# Altium PCB netv2mvp-pvt1b.PCBDOC (part 3 of 7) (continued)
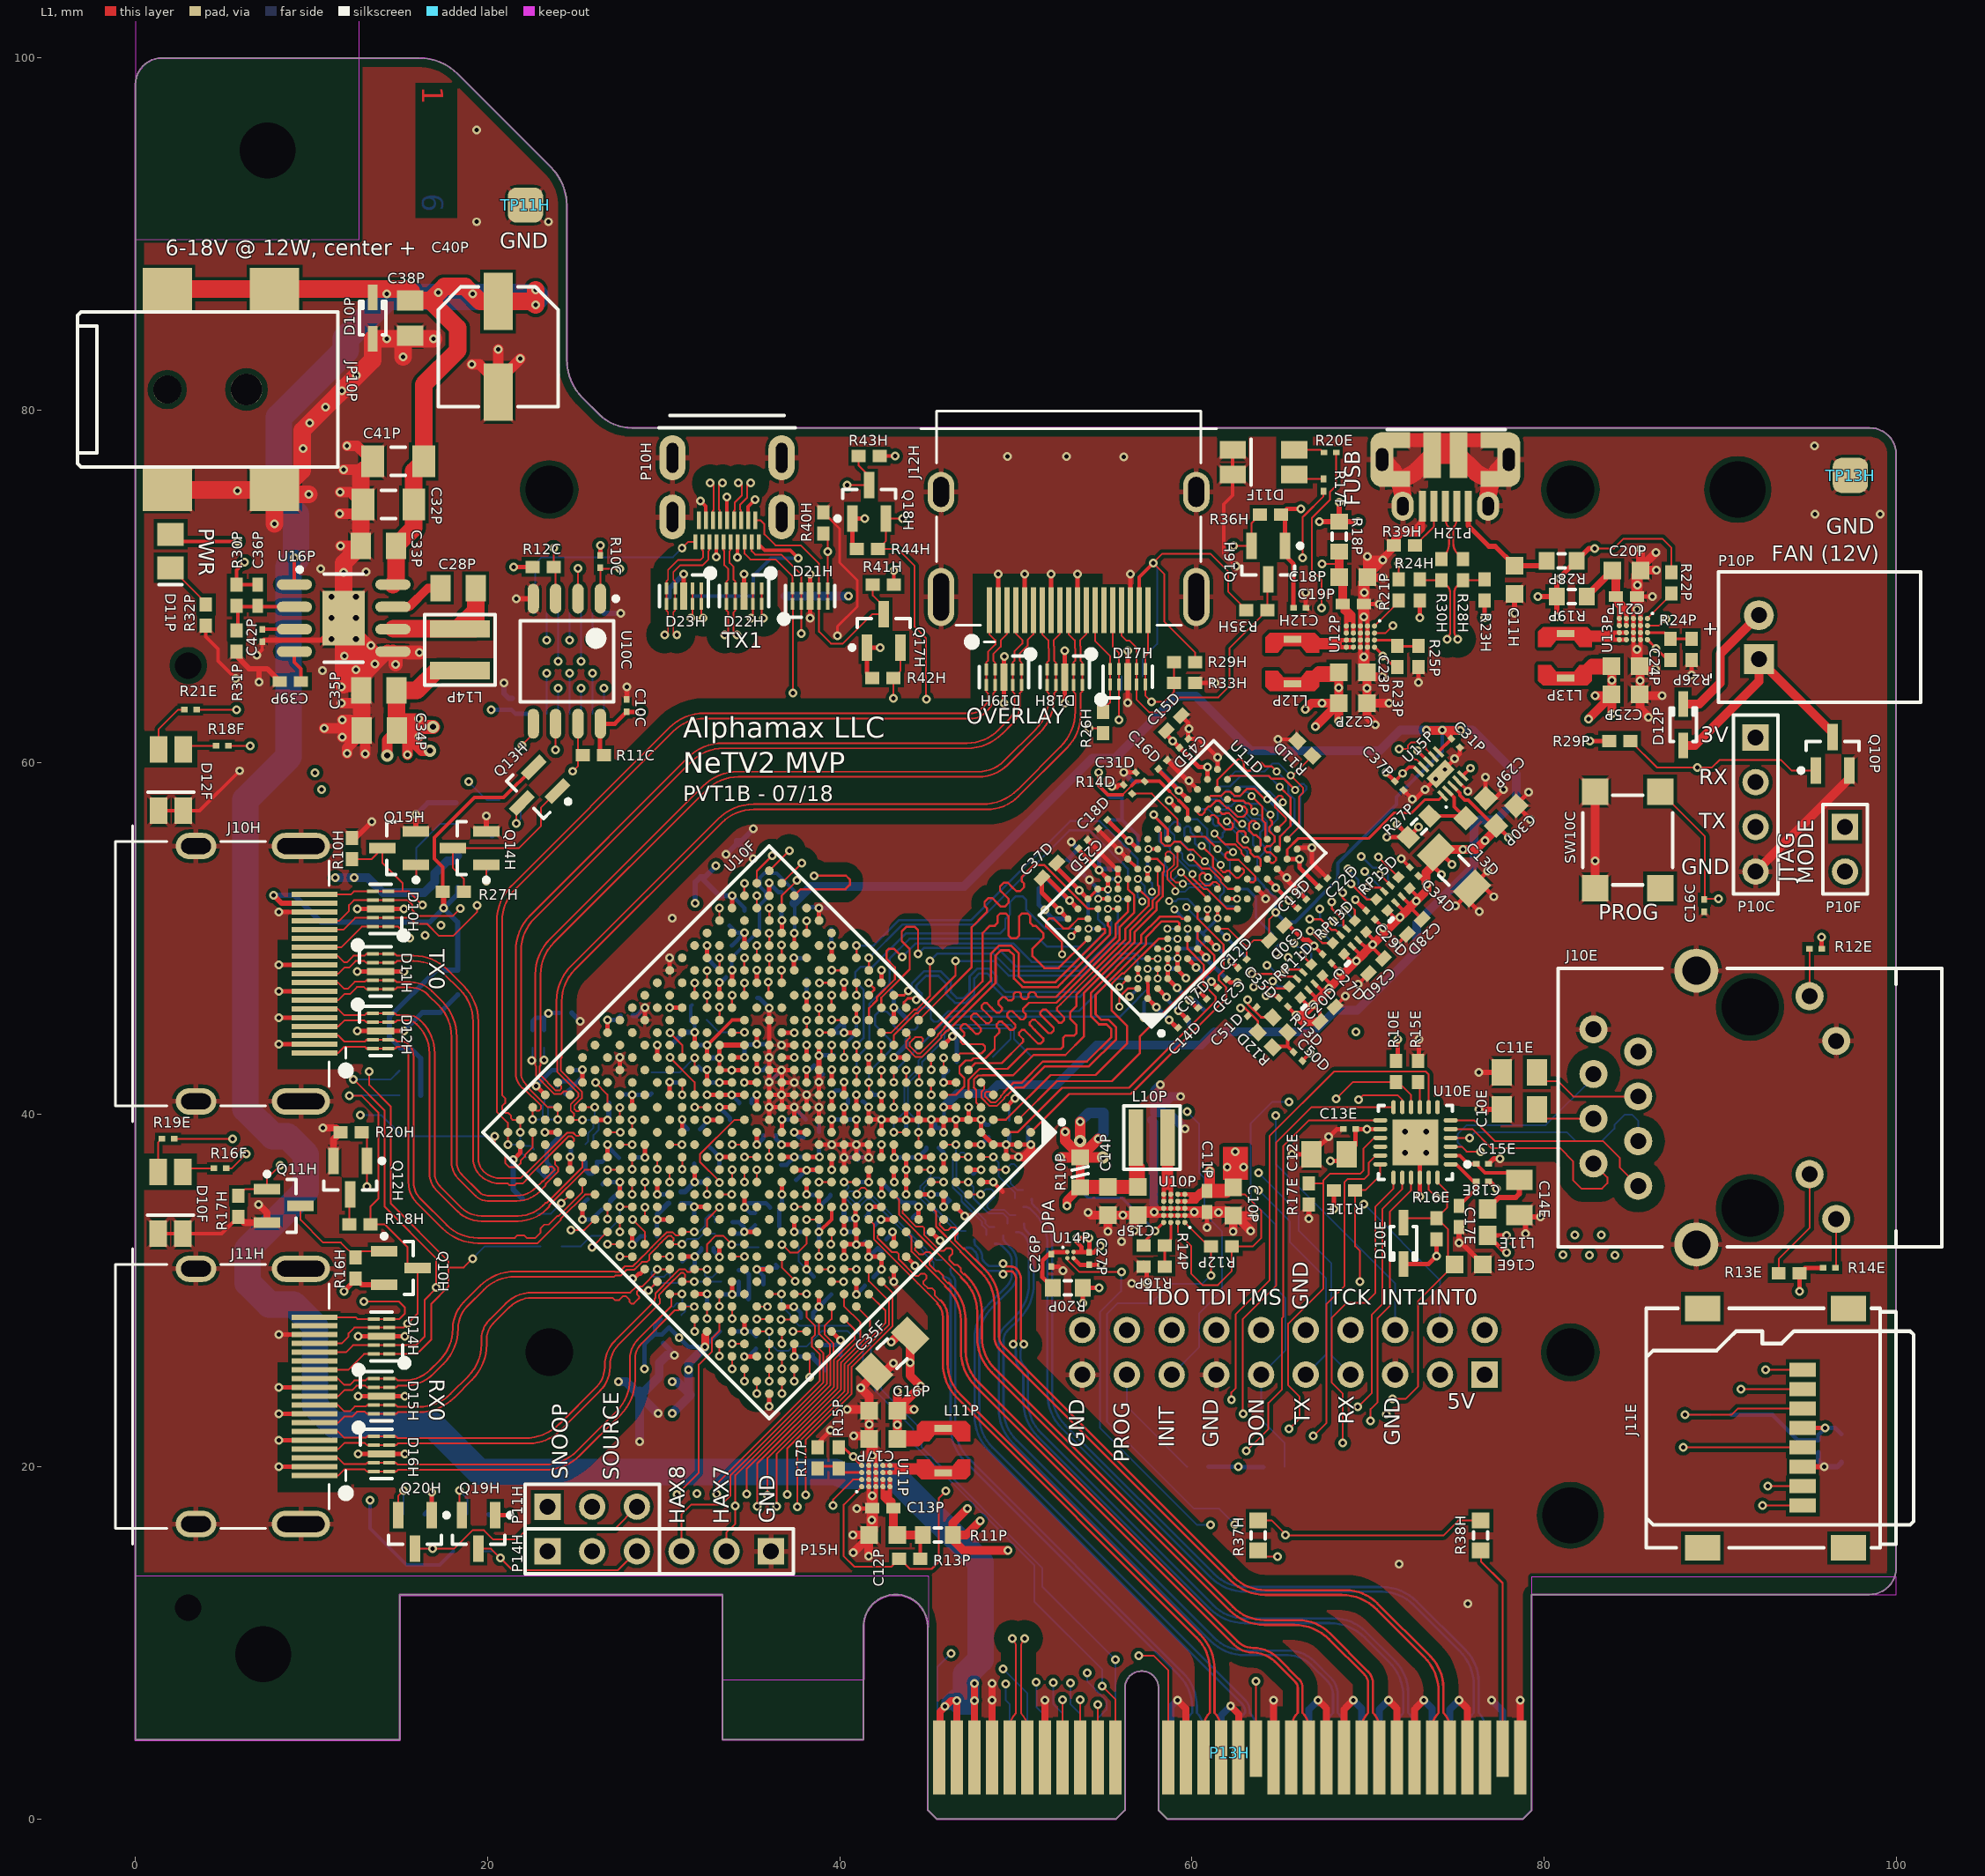
[diagram p0: L1 view]
## Nets (pads, with @x,y where several pads share a name; then routed paths per layer and width w, separated by ;. In a path a pad name is that pad's centre, name@x,y a point inside that pad or via, vN(x,y) a via of type N, cw(c..) or ccw(c..) an arc to the next point about the centre after c; other vN are vias at no path point) (continued)
DDR3_DQ9: U10F.H3 U11D.C3 | length 18.8
  L1 w0.12: U10F.H3@44.485,42.536 44.502,42.519 v1(44.502,41.827) ; U11D.C3@57.493,48.856 v2(58.062,48.856)
  L3 w0.13: v1(44.502,41.827) 44.502,43.693 46.984,46.175 51.45,46.175 54.131,48.856 v2(58.062,48.856)
DDR3_DQ10: U10F.K1 U11D.C8 | length 19.3
  L1 w0.12: U10F.K1@44.485,45.364 47.496,48.375 47.496,50.646 48.25,51.4 48.36,51.51 48.36,51.729 48.226,51.863 48.226,52.082 48.445,52.301 48.664,52.301 48.908,52.058 49.151,51.814 49.37,51.814 49.59,52.033 49.59,52.252 49.346,52.496 49.102,52.74 49.102,52.959 49.322,53.178 49.541,53.178 49.784,52.934 50.028,52.691 50.247,52.691 50.466,52.91 50.466,53.129 50.332,53.263 50.332,53.482 50.45,53.6 51.025,54.175 51.608,54.175 54.099,51.684 U11D.C8@54.665,51.684
DDR3_DQ11: U10F.H2 U11D.C2 | length 17.8
  L1 w0.12: v1(45.192,42.543) U10F.H2@45.192,43.243 ; v2(58.059,47.721) U11D.C2@58.059,48.29
  L3 w0.13: v1(45.192,42.543) 45.192,43.817 47.075,45.7 51.9,45.7 54.475,48.275 55.65,48.275 56.625,47.3 57.637,47.3 v2(58.059,47.721)
DDR3_DQ12: U10F.J1 U11D.A7 | length 19.8
  L1 w0.12: U10F.J1@45.192,44.657 48.111,47.575 48.111,50.311 48.525,50.725 48.65,50.725 48.805,50.725 48.96,50.88 48.96,51.27 49.115,51.425 49.425,51.425 49.58,51.27 49.58,50.725 49.58,50.18 49.735,50.025 50.045,50.025 50.2,50.18 50.2,50.725 50.2,51.27 50.355,51.425 50.665,51.425 50.82,51.27 50.82,50.88 50.975,50.725 51.125,50.725 51.575,50.275 51.575,50.05 50.95,49.425 50.95,49 51.625,48.325 52.437,48.325 U11D.A7@54.099,49.987
DDR3_DQ13: U10F.G2 U11D.A2 | length 16.6
  L1 w0.12: U10F.G2@45.899,42.536 v1(45.899,43.235) ; v2(55.884,46.116) 55.884,46.684 56.359,47.159 U11D.A2@56.927,47.159
  L3 w0.13: v1(45.899,43.235) 46.685,43.235 47.775,44.325 48.325,44.325 48.475,44.325 48.632,44.325 48.79,44.482 48.79,44.567 48.947,44.725 49.262,44.725 49.42,44.567 49.42,44.325 49.42,44.083 49.577,43.925 49.892,43.925 50.05,44.083 50.05,44.325 50.05,44.567 50.207,44.725 50.522,44.725 50.68,44.567 50.68,44.325 50.68,44.083 50.837,43.925 51.152,43.925 51.31,44.083 51.31,44.325 51.31,44.567 51.467,44.725 51.782,44.725 51.94,44.567 51.94,44.482 52.097,44.325 52.57,44.325 52.7,44.325 54.094,44.325 v2(55.884,46.116)
DDR3_DQ14: U10F.H5 U11D.B8 | length 22.4
  L1 w0.12: v1(43.071,40.422) U10F.H5@43.071,41.121 ; v2(52.625,49.1) 52.625,49.8 51.725,50.7 51.725,50.975 51.9,51.15 52.125,51.15 52.7,50.575 53,50.575 53.544,51.119 U11D.B8@54.099,51.119
  L3 w0.13: v1(43.071,40.422) 43.071,41.196 43.2,41.325 43.85,41.325 44,41.475 44,41.9 43.825,42.075 43.5,42.075 43.275,42.3 43.05,42.3 42.95,42.4 42.95,42.575 43.075,42.7 43.275,42.7 43.5,42.925 43.5,43.725 46.825,47.05 50.575,47.05 v2(52.625,49.1)
DDR3_DQ15: U10F.G3 U11D.A3 | length 18.4
  L1 w0.12: v1(45.192,41.129) U10F.G3@45.192,41.828 ; v2(55.894,47.256) U11D.A3@56.362,47.724
  L3 w0.13: v1(45.192,41.129) 46.654,41.129 47.025,41.5 47.025,42.075 46.65,42.45 46,42.45 45.45,43 45.45,43.475 45.875,43.9 46.575,43.9 47.9,45.225 52.875,45.225 54.906,47.256 v2(55.894,47.256)
DDR3_DQ16: U10D.E3 U10F.N2 | length 22.9
  L1 w0.12: U10F.N2@41.657,46.778 41.95,47.071 41.95,47.185 v1(41.657,47.478)
  L4 w0.13: v1(41.657,47.478) 41.835,47.3 42.6,47.3 43.325,48.025 50.35,48.025 50.725,48.4 51.05,48.4 51.425,48.025 52.075,48.025 52.375,48.325 52.375,48.6 52.125,48.85 51.525,48.85 51.4,48.975 51.4,49.325 51.75,49.675 53.775,49.675 53.875,49.775 53.875,50.1 53.2,50.775 53.2,51.15 53.35,51.3 53.575,51.3 54.05,51.775 54.375,51.775 54.85,51.3 55.425,51.3 55.793,51.668 v2(55.793,52.25)
  L6 w0.12: v2(55.793,52.25) U10D.E3@56.362,52.25
DDR3_DQ17: U10D.F7 U10F.M6 | length 27.2
  L1 w0.12: U10F.M6@39.536,43.243 v1(39.536,43.942)
  L4 w0.13: v1(39.536,43.942) 39.753,43.725 40.45,43.725 40.675,43.5 41.25,43.5 41.4,43.65 41.4,44.075 42,44.675 44.775,44.675 45.5,45.4 46.725,45.4 47.275,44.85 47.475,44.85 47.632,44.85 47.79,45.007 47.79,45.092 47.947,45.25 48.262,45.25 48.42,45.092 48.42,44.85 48.42,44.608 48.577,44.45 48.892,44.45 49.05,44.608 49.05,44.85 49.05,45.092 49.207,45.25 49.522,45.25 49.68,45.092 49.68,44.85 49.68,44.608 49.837,44.45 50.152,44.45 50.31,44.608 50.31,44.85 50.31,45.092 50.467,45.25 50.782,45.25 50.94,45.092 50.94,45.007 51.097,44.85 51.275,44.85 ; 51.425,44.85 51.275,44.85 ; v2(58.621,50.553) 57.653,50.553 52.1,45 51.95,44.85 51.275,44.85
  L6 w0.12: v2(58.621,50.553) U10D.F7@59.19,50.553
DDR3_DQ18: U10D.F2 U10F.P1 | length 19.9
  L1 w0.12: U10F.P1@41.657,48.192 v1(41.657,48.892)
  L6 w0.12: v1(41.657,48.892) 43.55,50.785 47.685,50.785 53.05,56.15 54.175,56.15 55.469,54.856 55.469,54.839 55.959,54.35 55.975,54.35 56.362,53.963 U10D.F2@56.362,53.381
DDR3_DQ19: U10D.F8 U10F.N5 | length 25.4
  L1 w0.12: v1(38.836,44.657) U10F.N5@39.536,44.657
  L4 w0.13: v1(38.836,44.657) 39.493,44.657 39.975,44.175 40.475,44.175 40.725,44.425 41.25,44.425 41.775,44.95 44.6,44.95 45.315,45.665 52.315,45.665 57.6,50.95 59.362,50.95 v2(59.756,50.556)
  L6 w0.12: U10D.F8@59.756,49.987 v2(59.756,50.556)
DDR3_DQ20: U10D.H3 U10F.P2 | length 23.9
  L1 w0.12: v1(40.95,46.786) U10F.P2@40.95,47.485
  L4 w0.13: v1(40.95,46.786) 40.95,47.55 41.325,47.925 41.925,47.925 42.075,47.775 42.675,47.775 43.2,48.3 49.9,48.3 55.45,53.85 56.45,53.85 v2(56.925,53.375)
  L6 w0.12: v2(56.925,53.375) 57.325,52.975 57.325,52.551 57.376,52.5 57.426,52.45 57.585,52.291 57.916,52.291 58.175,52.55 58.175,52.95 58.059,53.066 U10D.H3@58.059,53.947
DDR3_DQ21: U10D.H8 U10F.N4 | length 25.5
  L1 w0.12: v1(39.543,45.364) U10F.N4@40.243,45.364
  L4 w0.13: v1(39.543,45.364) 40.161,45.364 40.775,44.75 41.125,44.75 41.675,45.3 44.525,45.3 45.191,45.966 52.166,45.966 57.45,51.25 59.15,51.25 v2(59.675,51.775)
  L6 w0.12: v2(59.675,51.775) 60.331,51.119 U10D.H8@60.887,51.119
DDR3_DQ22: U10D.G2 U10F.R1 | length 21.1
  L1 w0.12: U10F.R1@40.95,48.899 v1(40.95,49.599)
  L6 w0.12: v1(40.95,49.599) 41.924,49.599 43.375,51.05 47.475,51.05 53.1,56.675 54.765,56.675 56.927,54.513 U10D.G2@56.927,53.947
DDR3_DQ23: U10D.H7 U10F.P6 | length 26.1
  L1 w0.12: U10F.P6@38.121,44.657 v1(38.121,45.357)
  L4 w0.11: 39.214,45.764 40.589,45.764 ; 40.6,45.775 41.425,45.775
  L4 w0.13: v1(38.121,45.357) 38.807,45.357 39.214,45.764 ; 40.589,45.764 40.6,45.775 ; 41.425,45.775 41.6,45.6 44.275,45.6 44.906,46.231 51.956,46.231 57.409,51.684 58.259,51.684 v2(58.7,52.125)
  L6 w0.12: v2(58.7,52.125) 59.1,52.125 59.225,52.25 59.756,52.25 U10D.H7@60.321,51.684
DDR3_DQ24: U10D.D7 U10F.K3 | length 18.9
  L1 w0.11: U10F.K3@43.071,43.95 43.071,44.515 44.32,45.764 44.439,45.764 45.45,46.775
  L1 w0.12: 45.45,46.775 46.575,47.9 v1@46.575,48.6
  L6 w0.12: v1(46.575,48.725) 48.762,48.725 49.587,47.9 53.775,47.9 55.6,49.725 57.755,49.725 U10D.D7@58.059,49.421
DDR3_DQ25: U10D.C3 U10F.M2 | length 20.9
  L1 w0.11: U10F.M2@42.364,46.071 42.364,46.637 43.45,47.723
  L1 w0.12: 43.45,47.723 43.975,48.248 43.975,49.4 43.525,49.85 43.525,50.4 43.8,50.675 44.25,50.675 44.45,50.475 v1(44.45,49.125)
  L6 w0.12: v1(44.45,49.125) 44.8,49.475 48.95,49.475 50,48.425 53.525,48.425 55.425,50.325 55.425,50.924 U10D.C3@55.23,51.119
DDR3_DQ26: U10D.C8 U10F.K4 | length 18.4
  L1 w0.12: U10F.K4@42.364,43.243 v1(42.364,43.942)
  L4 w0.13: v1(42.364,43.942) 46.875,43.942 47.017,43.8 51.9,43.8 55.425,47.325 55.425,47.425 55.725,47.725 55.825,47.725 56.39,48.29 v2(57.49,48.29)
  L6 w0.12: v2(57.49,48.29) U10D.C8@58.059,48.29
DDR3_DQ27: U10D.C2 U10F.M3 | length 20.3
  L1 w0.11: 42.1,46.656 43.135,47.69 43.135,48.365
  L1 w0.12: U10F.M3@41.657,45.364 41.657,46.032 42.1,46.475 42.1,46.656 ; 43.135,48.365 42.65,48.85 42.65,49.275 42.8,49.425 43.075,49.425 v1(43.55,48.95)
  L6 w0.12: v1(43.55,48.95) 44.325,49.725 49.85,49.725 50.9,48.675 53.35,48.675 55.05,50.375 55.05,50.725 54.665,51.11 U10D.C2@54.665,51.684
DDR3_DQ28: U10D.A7 U10F.J6 | length 23.1
  L1 w0.12: U10F.J6@41.657,41.121 v1(41.657,41.821)
  L6 w0.12: v1(41.657,41.821) 41.657,42.432 42.875,43.65 42.875,44.225 42.002,45.098 42.002,45.63 42.226,45.854 42.671,45.854 43.025,45.5 43.025,45.1 43.3,44.825 44.275,44.825 44.425,44.975 44.425,45.86 44.643,46.078 44.972,46.078 45.175,45.875 45.175,45.45 45.35,45.275 45.575,45.275 46.175,45.875 53.575,45.875 55.424,47.724 U10D.A7@56.362,47.724
DDR3_DQ29: U10D.A2 U10F.L5 | length 21.5
  L1 w0.12: U10F.L5@40.95,43.243 v1(40.95,43.942)
  L6 w0.12: v1(40.95,43.942) 41.352,44.345 41.352,47.098 40.875,47.575 40.875,48.075 41.2,48.4 41.875,48.4 43.775,50.3 49.125,50.3 49.4,50.575 49.4,51.1 49.663,51.363 49.663,52.063 50,52.4 50.375,52.4 50.6,52.175 50.6,51.625 51.672,50.553 U10D.A2@53.533,50.553
DDR3_DQ30: U10D.B8 U10F.J4 | length 18.2
  L1 w0.12: v1(43.071,41.836) U10F.J4@43.071,42.536
  L6 w0.12: v1(43.071,41.836) 43.071,42.421 46.207,45.557 55.907,45.557 56.925,46.575 56.925,46.6 57.493,47.168 U10D.B8@57.493,47.724
DDR3_DQ31: U10D.A3 U10F.K6 | length 19.9
  L1 w0.12: U10F.K6@40.95,41.828 v1(40.95,42.528)
  L6 w0.12: v1(40.95,42.528) 40.95,43.225 41.675,43.95 41.675,46.289 42.825,47.439 42.825,48.85 43.962,49.987 51.325,49.987 51.762,49.55 53.662,49.55 U10D.A3@54.099,49.987
DDR3_DQS0_N: U10F.D1 U11D.G3 | length 20.5
  L1 w0.1: U10F.D1@48.728,41.121 48.545,41.304 48.34,41.304 48.25,41.214 48.25,41.033 48.578,40.705 48.855,40.705 49.158,41.008 49.158,41.062 49.349,41.253 49.349,41.302
  L1 w0.13: 49.349,41.302 49.856,41.81 50.337,41.81 51.539,43.012 54.04,43.012 55.426,44.398 55.426,44.849 55.148,45.127 54.727,45.127 54.26,45.594 54.26,46.914 57.117,49.771 57.117,50.178 58.103,51.164 58.182,51.243 59.301,51.243 59.425,51.119 U11D.G3@59.756,51.119
DDR3_DQS0_P: U10F.E1 U11D.F3 | length 20.8
  L1 w0.1: U10F.E1@48.021,41.828 48.199,41.651 48.199,41.445 48.05,41.297 48.05,40.95 48.495,40.505 48.938,40.505 49.358,40.925 49.358,40.979 49.49,41.112 49.539,41.112
  L1 w0.13: 49.539,41.112 49.968,41.54 50.449,41.54 51.651,42.742 54.152,42.742 55.696,44.286 55.696,44.961 55.26,45.397 54.839,45.397 54.53,45.706 54.53,46.802 57.387,49.659 57.387,50.066 58.294,50.973 59.19,50.973 59.286,50.877 59.286,50.649 U11D.F3@59.19,50.553
DDR3_DQS1_N: U10F.J2 U11D.B7 | length 19.7
  L1 w0.1: U10F.J2@44.485,43.95 44.731,44.195 44.731,44.301 44.641,44.391 44.283,44.391 44.167,44.275 43.985,44.092 43.985,43.885 44.4,43.47 44.571,43.47 45.582,44.481 45.582,44.552 45.934,44.903 45.934,44.952
  L1 w0.13: 45.934,44.952 48.58,47.599 48.58,49.137 49.043,49.6 49.725,49.6 50.17,49.155 50.17,47.837 50.487,47.52 52.266,47.52 55.067,50.321 55.067,50.525 55.039,50.553 U11D.B7@54.665,50.553
DDR3_DQS1_P: U10F.K2 U11D.C7 | length 20
  L1 w0.1: U10F.K2@43.778,44.657 43.967,44.468 43.967,44.357 43.785,44.175 43.785,43.802 44.317,43.27 44.654,43.27 45.782,44.399 45.782,44.469 46.075,44.762 46.124,44.762
  L1 w0.13: 46.124,44.762 48.85,47.487 48.85,49.025 49.155,49.33 49.613,49.33 49.9,49.043 49.9,47.725 50.375,47.25 52.378,47.25 52.628,47.5 55.258,50.13 55.337,50.209 55.337,50.637 55.258,50.716 55.23,50.744 U11D.C7@55.23,51.119
DDR3_DQS2_N: U10D.G3 U10F.P4 | length 24.7
  L1 w0.13: U10F.P4@39.536,46.071 v1(39.536,46.771)
  L4 w0.13: v1@39.431,46.875 39.327,46.771 39.119,46.771 39.038,46.69 39.038,46.544 39.275,46.307 42.054,46.307 43.518,47.771 44.508,47.771 45.159,47.12 51.669,47.12 56.302,51.753 56.302,52.548 56.525,52.771 56.605,52.85 57.181,52.85 57.26,52.771 57.366,52.666 v2(57.741,52.666)
  L6 w0.13: U10D.G3@57.493,53.381 57.741,53.134 v2(57.741,52.666)
DDR3_DQS2_P: U10D.F3 U10F.P5 | length 24.1
  L1 w0.13: U10F.P5@38.828,45.364 v1(38.828,46.064)
  L4 w0.098: v1(38.828,46.064) v1@38.89,46.125
  L4 w0.13: v1(38.828,46.064) 38.855,46.037 42.166,46.037 43.63,47.501 44.396,47.501 45.047,46.85 51.781,46.85 56.572,51.641 56.572,52.436 56.716,52.58 57.069,52.58 57.175,52.475 v2(57.175,52.1)
  L6 w0.13: U10D.F3@56.927,52.816 56.927,52.348 v2(57.175,52.1)
DDR3_DQS3_N: U10D.B7 U10F.L1 | length 19.6
  L1 w0.098: U10F.L1@43.778,46.071 U10F.L1@43.896,46.071
  L1 w0.13: U10F.L1@43.778,46.071 43.65,46.199 43.65,46.383 43.867,46.6 44.275,46.6 v1(44.35,46.525)
  L6 w0.13: v1(44.35,46.525) 44.547,46.525 44.654,46.632 44.654,46.881 44.35,47.185 44.35,47.324 44.906,47.88 45.607,47.88 46.048,47.439 46.048,46.839 46.127,46.76 46.538,46.349 47.161,46.349 47.644,46.832 47.644,47.736 47.931,48.023 48.373,48.023 48.637,47.759 48.637,47.366 48.716,47.287 49.309,46.694 53.665,46.694 55.852,48.881 56.711,48.881 56.927,48.665 U10D.B7@56.927,48.29
DDR3_DQS3_P: U10D.C7 U10F.M1 | length 19.2
  L1 w0.13: U10F.M1@43.071,46.778 43.653,46.778 v1(43.9,47.025)
  L6 w0.098: v1(43.9,47.025) v1@43.9,47.033
  L6 w0.13: v1(43.9,47.025) 44.08,47.205 44.08,47.436 44.144,47.5 44.501,47.857 44.794,48.15 45.719,48.15 46.318,47.551 46.318,46.951 46.65,46.619 47.049,46.619 47.374,46.944 47.374,47.848 47.819,48.293 48.485,48.293 48.907,47.871 48.907,47.478 49.421,46.964 53.553,46.964 55.74,49.151 56.823,49.151 57.118,48.856 U10D.C7@57.493,48.856
DDR3_ODT0: RP11D.7 U10D.K1 U10F.W9 U11D.K1 | length 60.2
  L1 w0.11: 60.039,53.437 60.668,52.808 60.88,52.808 62.004,51.684
  L1 w0.12: U10F.W9@32.464,46.071 v1(32.464,46.771) ; 60.039,53.437 v2(60.039,53.665) ; 62.004,51.684 U11D.K1@62.584,51.684 ; v1(63.425,48) 64.85,48 65,47.85 65.853,47.85 RP11D.7@65.978,47.724
  L3 w0.13: v1(32.464,46.771) 32.464,46.161 35.095,43.53 35.53,43.53 35.925,43.925 36.075,43.925 36.625,43.375 36.825,43.375 42.475,49.025 42.825,49.025 43.675,48.175 45.5,48.175 45.825,48.5 45.825,49.15 46.325,49.65 47.025,49.65 47.18,49.805 47.412,50.037 47.567,50.037 47.624,49.98 47.779,49.98 47.934,50.135 47.934,50.29 47.799,50.424 47.665,50.559 47.665,50.714 47.819,50.869 47.974,50.869 48.109,50.734 48.244,50.599 48.399,50.599 48.553,50.754 48.553,50.909 48.419,51.044 48.284,51.178 48.284,51.333 48.439,51.488 48.594,51.488 48.728,51.353 48.863,51.219 49.018,51.219 49.173,51.374 49.173,51.528 49.038,51.663 48.903,51.798 48.903,51.953 49.058,52.108 49.213,52.108 49.348,51.973 49.483,51.838 49.637,51.838 49.792,51.993 49.792,52.148 49.658,52.283 49.523,52.417 49.523,52.572 49.678,52.727 49.833,52.727 49.967,52.592 50.102,52.458 50.257,52.458 50.412,52.612 50.412,52.767 50.277,52.902 50.142,53.037 50.142,53.192 50.297,53.346 50.452,53.346 50.587,53.212 50.721,53.077 50.876,53.077 51.031,53.232 51.031,53.387 50.896,53.521 50.762,53.656 50.762,53.811 50.917,53.966 51.071,53.966 51.129,53.909 51.284,53.909 51.35,53.975 51.675,54.3 52.125,54.3 52.375,54.05 52.9,54.05 53.175,53.775 53.825,53.775 54.113,54.063 54.113,54.712 54.3,54.9 54.475,54.9 55.525,53.85 57.025,53.85 57.35,53.525 58.125,53.525 58.779,54.179 59.525,54.179 v2(60.039,53.665)
  L4 w0.13: v2(60.039,53.665) 63.425,50.279 v1(63.425,48)
  L6 w0.11: 58.759,54.945 v2(60.039,53.665)
  L6 w0.12: U10D.K1@58.151,56.118 58.151,55.517 58.434,55.233 58.668,55.233 58.759,55.142 58.759,54.945
DDR3_RAS_N: RP11D.8 U10D.J3 U10F.Y9 U11D.J3 | length 59
  L1 w0.12: U10F.Y9@31.757,46.778 v1(31.757,47.478) ; v2(59.375,53.763) U11D.J3@60.887,52.25 U11D.J3@60.887,52.25 ; v1(63.525,47.25) 64.3,47.25 64.375,47.175 65.429,47.175 RP11D.8@65.528,47.274
  L3 w0.12: 53.734,53.2 54.084,52.85
  L3 w0.13: v1(31.757,47.478) 31.757,46.825 31.225,46.293 31.225,45.95 32.425,44.75 ; 32.575,44.75 32.425,44.75 ; 53.734,53.2 52.975,53.2 52.557,53.2 52.119,53.2 51.9,53.2 51.798,53.098 51.565,52.865 51.411,52.865 51.364,52.912 51.209,52.912 51.054,52.757 51.054,52.602 51.178,52.478 51.302,52.354 51.302,52.199 51.148,52.045 50.993,52.045 50.869,52.169 50.745,52.293 50.59,52.293 50.435,52.138 50.435,51.983 50.559,51.859 50.683,51.735 50.683,51.58 50.528,51.425 50.373,51.425 50.249,51.549 50.125,51.673 49.97,51.673 49.815,51.518 49.815,51.364 49.939,51.239 50.064,51.115 50.064,50.961 49.909,50.806 49.754,50.806 49.63,50.93 49.506,51.054 49.351,51.054 49.196,50.899 49.196,50.744 49.32,50.62 49.444,50.496 49.444,50.341 49.289,50.186 49.134,50.186 49.01,50.31 48.886,50.434 48.731,50.434 48.577,50.28 48.577,50.125 48.701,50.001 48.825,49.877 48.825,49.722 48.67,49.567 48.515,49.567 48.391,49.691 48.267,49.815 48.112,49.815 47.957,49.66 47.957,49.505 48.081,49.381 48.205,49.257 48.205,49.102 48.05,48.947 47.896,48.947 47.771,49.071 47.647,49.196 47.493,49.196 47.338,49.041 47.338,48.886 47.462,48.762 47.586,48.638 47.586,48.483 47.431,48.328 47.276,48.328 47.152,48.452 47.091,48.513 46.936,48.513 46.781,48.358 46.781,48.204 46.781,48.081 46.687,47.987 46.6,47.9 42.75,47.9 37.5,42.65 37.25,42.65 36.775,43.125 36.55,43.125 36.075,42.65 35.752,42.65 35.352,43.05 35.075,43.05 34.825,42.8 34.375,42.8 32.425,44.75 ; 54.084,52.85 54.65,52.85 54.967,53.167 55.444,53.167 55.811,52.8 57.15,52.8 57.425,53.075 58.389,53.075 59.077,53.763 v2(59.375,53.763)
  L4 w0.13: v2(59.375,53.763) 62.95,50.188 62.95,47.825 v1(63.525,47.25)
  L6 w0.12: U10D.J3@58.624,54.513 58.476,54.364 58.476,54.152 58.589,54.039 58.589,53.897 58.462,53.77 58.462,53.629 58.773,53.318 58.914,53.318 59.226,53.629 59.36,53.763 v2(59.375,53.763)
DDR3_RESET_N: R11D.2 U10D.T2 U10F.AB5 U11D.T2 | length 50.3
  L1 w0.1: U10F.AB5@33.172,51.021 v1(33.172,51.721) ; U11D.T2@65.413,55.644 66.084,56.316 66.084,58.055 66.325,58.296 66.325,58.552 v2(65.625,59.251) 65.724,59.251 R11D.2@66.849,60.376
  L3 w0.1: v1(33.172,51.721) 33.172,53.497 35.775,56.1 37.25,56.1 41.875,60.725 57.2,60.725 59,62.525 62.351,62.525 v2(65.625,59.251)
  L6 w0.1: U10D.T2@62.018,59.038 62.479,59.498 64.141,59.498 64.59,59.947 64.929,59.947 v2(65.625,59.251)
DDR3_WE_N: RP11D.5 U10D.L3 U10F.V8 U11D.L3 | length 57.8
  L1 w0.11: 61.197,54.629 61.197,54.063 U11D.L3@61.878,53.381
  L1 w0.12: U10F.V8@33.879,46.071 v1(33.879,46.771) ; v2(60.57,55.256) 61.197,54.629 ; U11D.L3@61.878,53.381 U11D.L3@62.018,53.381 ; v1(66.261,49.05) RP11D.5@66.783,48.529
  L3 w0.11: 61.25,54.575 61.25,54.025 61.475,53.8 62,53.8
  L3 w0.12: 65.6,49.325 65.986,49.325
  L3 w0.13: v1(33.879,46.771) 34.579,46.771 35.05,46.3 35.4,46.3 35.75,46.65 36.25,46.65 39.131,49.531 39.131,49.768 39.463,50.1 40.17,50.1 40.87,50.8 43.825,50.8 44.1,51.075 44.177,51.152 44.177,51.307 44.12,51.365 44.12,51.519 44.275,51.674 44.43,51.674 44.565,51.54 44.699,51.405 44.854,51.405 45.009,51.56 45.009,51.715 44.874,51.849 44.74,51.984 44.74,52.139 44.894,52.294 45.049,52.294 45.184,52.159 45.319,52.024 45.474,52.024 45.628,52.179 45.628,52.334 45.494,52.469 45.359,52.603 45.359,52.758 45.514,52.913 45.669,52.913 45.803,52.778 45.938,52.644 46.093,52.644 46.248,52.799 46.248,52.953 46.113,53.088 45.978,53.223 45.978,53.378 46.133,53.533 46.288,53.533 46.423,53.398 46.558,53.263 46.712,53.263 46.867,53.418 46.867,53.573 46.733,53.708 46.598,53.842 46.598,53.997 46.753,54.152 46.908,54.152 47.042,54.017 47.177,53.883 47.332,53.883 47.487,54.037 47.487,54.192 47.352,54.327 47.217,54.462 47.217,54.617 47.372,54.771 47.527,54.771 47.662,54.637 47.796,54.502 47.951,54.502 48.106,54.657 48.106,54.812 47.971,54.946 47.837,55.081 47.837,55.236 47.992,55.391 48.146,55.391 48.281,55.256 48.416,55.121 48.571,55.121 48.726,55.276 48.726,55.431 48.591,55.566 48.456,55.701 48.456,55.855 48.611,56.01 48.766,56.01 48.901,55.876 49.035,55.741 49.19,55.741 49.345,55.896 49.345,56.051 49.288,56.108 49.288,56.263 49.425,56.4 49.644,56.4 49.987,56.4 50.082,56.305 50.191,56.196 50.41,56.196 50.52,56.305 50.52,56.4 50.52,56.571 50.629,56.68 50.848,56.68 50.958,56.571 50.958,56.4 50.958,56.305 51.067,56.196 51.286,56.196 51.396,56.305 51.396,56.4 51.396,56.571 51.505,56.68 51.724,56.68 51.834,56.571 51.834,56.4 51.834,56.305 51.943,56.196 52.162,56.196 52.272,56.305 52.272,56.4 52.272,56.571 52.381,56.68 52.6,56.68 52.71,56.571 52.71,56.4 52.71,56.305 52.819,56.196 53.038,56.196 53.148,56.305 53.148,56.4 53.148,56.571 53.257,56.68 53.476,56.68 53.586,56.571 53.586,56.4 53.586,56.305 53.695,56.196 53.914,56.196 54.024,56.305 54.119,56.4 54.275,56.4 56.8,56.4 57.375,55.825 60,55.825 v2(60.57,55.256) 61.25,54.575 ; 62,53.8 63.075,52.725 63.075,51.85 65.6,49.325 ; 65.986,49.325 v1(66.261,49.05)
  L6 w0.12: U10D.L3@59.756,55.644 59.579,55.821 59.579,56.265 59.686,56.372 59.821,56.372 59.914,56.279 59.915,56.055 60.166,55.804 60.166,55.404 60.314,55.256 v2(60.57,55.256)
ETH_50MHZ: U10E.8 U10F.D17 | length 55.7
  L1 w0.1: U10F.D17@37.414,29.808 v1(38.114,29.808) ; v1(62.25,23.8) 62.25,24.225 62.5,24.475 62.5,28.675 64.425,30.6 64.425,35.55 64.425,38.8 68.075,42.45 73.275,42.45 73.45,42.275 U10E.8@73.45,40.425
  L3 w0.1: v1(38.114,29.808) 38.767,29.808 40.05,28.525 45.875,28.525 50.6,23.8 v1(62.25,23.8)
ETH_CRS_DV: R17E.2 U10E.15 U10F.C20 | length 53.6
  L1 w0.1: v1(36,26.279) U10F.C20@36,26.979 ; v1(65.525,22.15) 66.125,22.75 66.125,23.975 65.475,24.625 65.475,28.125 67.475,30.125 67.475,36.275 67.85,36.65 69.575,36.65 69.75,36.825 69.75,38.075 70.35,38.675 U10E.15@70.7,38.675 ; R17E.2@66.65,36.1 67.475,36.1
  L3 w0.1: v1(36,26.279) 36.566,26.279 37.02,25.825 39.325,25.825 39.8,26.3 45.775,26.3 49.925,22.15 v1(65.525,22.15)
ETH_INTRP: R11E.1 U10E.18 U10F.D21 | length 61
  L1 w0.1: v1(33.886,26.979) U10F.D21@34.586,26.979 ; R11E.1@68.925,35.725 69.875,35.725 70.7,36.55 U10E.18@70.7,37.175 ; R11E.1@69.275,35.7 69.275,32.525 69.55,32.25 v1(69.55,30.525)
  L3 w0.1: v1(33.886,26.979) 34.621,26.979 38.925,22.675 40.85,22.675 42.9,24.725 43.45,24.725 44.475,23.7 45.725,23.7 48.95,20.475 60.375,20.475 61.5,19.35 68.35,19.35 71.075,22.075 v1@71.075,22.95
  L4 w0.1: v1(69.55,30.525) 70.45,29.625 70.45,23.575 v1(71.05,22.975)
ETH_LED: J10E.L3 R13E.2 U10E.23 | length 30.4
  L1 w0.1: U10E.23@73.45,36.425 73.45,35.725 v1(73.9,35.275) ; R13E.2@93.325,31 93.325,31.8 95.08,33.555 J10E.L3@95.08,36.615
  L4 w0.1: v1(73.9,35.275) 82.55,35.275 83.15,34.675 86.7,34.675 89.25,37.225 93.05,37.225 93.66,36.615 J10E.L3@95.08,36.615
ETH_MDC: U10E.11 U10F.F14 | length 43.3
  L1 w0.1: v1(36.725,32.625) 37.175,32.175 37.625,32.175 38.121,32.671 U10F.F14@38.121,33.343 ; v1(69.475,40.85) 69.725,41.1 71.675,41.1 71.95,40.825 U10E.11@71.95,40.425
  L4 w0.1: v1(36.725,32.625) 36.725,33.425 37.15,33.85 37.65,33.85 37.875,33.625 38.45,33.625 38.625,33.8 40.025,33.8 40.738,34.513 41.137,34.513 41.4,34.25 41.775,34.25 42.075,34.55 43.175,34.55 43.5,34.225 45.95,34.225 46.35,33.825 50.35,33.825 52.1,35.575 59,35.575 61.775,38.35 66.6,38.35 68.1,39.85 68.6,39.85 69.475,40.725 v1(69.475,40.85)
ETH_MDIO: R10E.1 U10E.10 U10F.F13 | length 40.2
  L1 w0.1: v1(38.129,34.05) U10F.F13@38.825,34.05 ; v1(68.2,40.9) 69.15,41.85 R10E.1@71.6,41.85 ; R10E.1@71.7,41.85 72.45,41.1 U10E.10@72.45,40.425
  L4 w0.1: v1(38.129,34.05) 38.8,34.05 39.975,35.225 40.475,35.225 40.725,34.975 41.15,34.975 41.4,35.225 41.825,35.225 42.15,34.9 43.925,34.9 44.225,35.2 44.65,35.2 44.85,35 45.45,35 45.7,35.25 46.9,35.25 47.45,34.7 50.75,34.7 51.9,35.85 58.825,35.85 61.75,38.775 66.075,38.775 v1(68.2,40.9)
ETH_P1.2V: C17E.1 C18E.1 U10E.1 | length 3.6
  L1 w0.2: U10E.1@74.7,37.175 75.025,37.175 76,36.2 C18E.1@76.15,36.2 76.15,35.8 C17E.1@75.175,34.825
ETH_RCT: C11E.1 J10E.R5 | length 6.1
  L1 w0.1: C11E.1@79.65,41.9 80.8,41.9 81.665,41.035 J10E.R5@85.35,41.035
ETH_RST: C16E.1 D10E.2 R16E.2 U10E.24 U10F.F16 | length 56.3
  L1 w0.1: U10F.F16@36.707,31.929 36.707,31.318 v1(37.475,30.55) ; v1(71.4,23.85) 72.125,23.85 72.85,24.575 72.85,29.425 C16E.1@74.925,31.5 74.55,31.875 74.55,33.475 R16E.2@73.9,34.125 ; D10E.2@71.925,33.775 D10E.2@72.025,33.875 72.275,34.125 R16E.2@73.9,34.125 ; U10E.24@73.95,36.425 73.95,36.15 74.5,35.6 74.5,34.725 R16E.2@73.9,34.125 ; C16E.1@74.55,31.5 74.738,31.313 C16E.1@74.85,31.2
  L3 w0.1: v1(37.475,30.55) 38.575,30.55 40.2,28.925 46.05,28.925 50.775,24.2 63.75,24.2 64.1,23.85 v1(71.4,23.85)
ETH_RXD0: U10E.13 U10F.A20 | length 53.3
  L1 w0.1: v1(37.414,24.865) U10F.A20@37.414,25.565 ; v1(63.1,20.9) 64.35,22.15 64.35,23.625 65.125,24.4 65.125,28.45 65.2,28.525 65.2,38.225 66.65,39.675 U10E.13@70.7,39.675
  L3 w0.1: v1(37.414,24.865) 38.354,23.925 41.35,23.925 42.425,25 43.55,25 44.45,24.1 46.025,24.1 49.275,20.85 49.325,20.9 v1(63.1,20.9)
ETH_RXD1: U10E.12 U10F.B18 | length 51.9
  L1 w0.1: v1@37.422,27.686 U10F.B18@38.121,27.686 ; v1@62.9,23.025 62.9,28.4 64.8,30.3 64.8,38.425 66.8,40.425 U10E.12@71.45,40.425
  L3 w0.1: v1(37.35,27.68) 45.57,27.68 50.25,23 v1(62.925,23)
ETH_RXER: U10E.17 U10F.B20 | length 50.7
  L1 w0.1: v1(36.707,25.572) U10F.B20@36.707,26.272 ; v1(66.9,21.75) 67.65,22.5 67.65,29.25 68.675,30.275 68.675,36.175 68.85,36.35 69.8,36.35 70.05,36.6 70.05,37.275 70.45,37.675 U10E.17@70.7,37.675
  L3 w0.1: v1(36.707,25.572) 42.178,25.572 42.275,25.475 45.975,25.475 49.7,21.75 v1(66.9,21.75)
ETH_RXM: J10E.R6 U10E.3 | length 13.1
  L1 w0.1: U10E.3@74.7,38.175 75.325,38.175 75.6,37.9 v1(76.4,37.9)
  L6 w0.1: v1(76.4,37.9) 75.6,37.9 75.1,38.4 75.1,38.9 75.6,39.4 80.1,39.4 82.81,42.11 J10E.R6@82.81,42.305
ETH_RXP: J10E.R3 U10E.4 | length 13
  L1 w0.1: U10E.4@74.7,38.675 v1(75.775,38.675)
  L6 w0.1: v1(75.775,38.675) 76.1,39 81.3,39 81.8,38.5 83.3,38.5 84,39.2 84,39.4 84.6,40 85,40 85.35,39.65 J10E.R3@85.35,38.495
ETH_TCT: C10E.1 J10E.R4 | length 3.2
  L1 w0.1: C10E.1@79.625,39.775 82.8,39.775 J10E.R4@82.81,39.765
ETH_TXD0: U10E.20 U10F.C18 | length 50
  L1 w0.1: v1(36.677,28.351) 37.372,28.351 U10F.C18@37.414,28.393 ; v1(69.425,23.4) 70.225,24.2 70.225,28.65 70.825,29.25 70.825,34.65 71.95,35.775 U10E.20@71.95,36.425
  L3 w0.1: v1(36.677,28.351) 39.374,28.351 39.55,28.175 45.6,28.175 50.375,23.4 66.825,23.4 67.325,22.9 68.925,22.9 v1(69.425,23.4)
ETH_TXD1: U10E.21 U10F.C19 | length 50.8
  L1 w0.1: v1(36.707,26.987) U10F.C19@36.707,27.686 ; v1(70.15,22.6) 70.15,23.275 70.55,23.675 70.55,28.45 71.25,29.15 71.25,34.5 72.45,35.7 U10E.21@72.45,36.425
  L3 w0.1: v1(36.707,26.987) 39.463,26.987 39.8,26.65 46,26.65 50.1,22.55 50.15,22.6 v1(70.15,22.6)
ETH_TXEN: U10E.19 U10F.A19 | length 50.7
  L1 w0.1: U10F.A19@38.121,26.272 38.3,26.093 v1(38.3,25.075) ; v1(68.575,21.35) 68.575,24.15 67.95,24.775 67.95,28.475 68.8,29.325 69.875,29.325 70.425,29.875 70.425,34.775 71.45,35.8 U10E.19@71.45,36.425
  L3 w0.1: v1(38.3,25.075) 41.6,25.075 41.775,25.25 45.625,25.25 49.55,21.325 49.575,21.35 v1(68.575,21.35)
ETH_TXM: J10E.R2 U10E.5 | length 12.5
  L1 w0.1: U10E.5@74.7,39.175 75.925,39.175 77,38.1 80.907,38.1 81.665,37.342 81.665,36.26 82.125,35.8 83.3,35.8 83.6,36.1 83.6,36.435 J10E.R2@82.81,37.225
ETH_TXP: J10E.R1 U10E.6 | length 12.5
  L1 w0.1: U10E.6@74.7,39.675 76.025,39.675 77.2,38.5 83.349,38.5 84.3,37.549 84.3,37.005 J10E.R1@85.35,35.955